# Altium PCB Lay-51943_B.brd.PcbDoc (part 3 of 8)
Units mil, origin at the board's own origin, x right, y up, seen from the top; angles counter-clockwise.
Board outline 2903.05 x 2405.84 mil, 6 copper layers (TOP, L2_GND_1, L3_INT_1, L4_PWR, L5_GND_2, BOTTOM), stack 60.244 mil thick; 568 components, 400 nets, 2143 pads, 1138 vias.
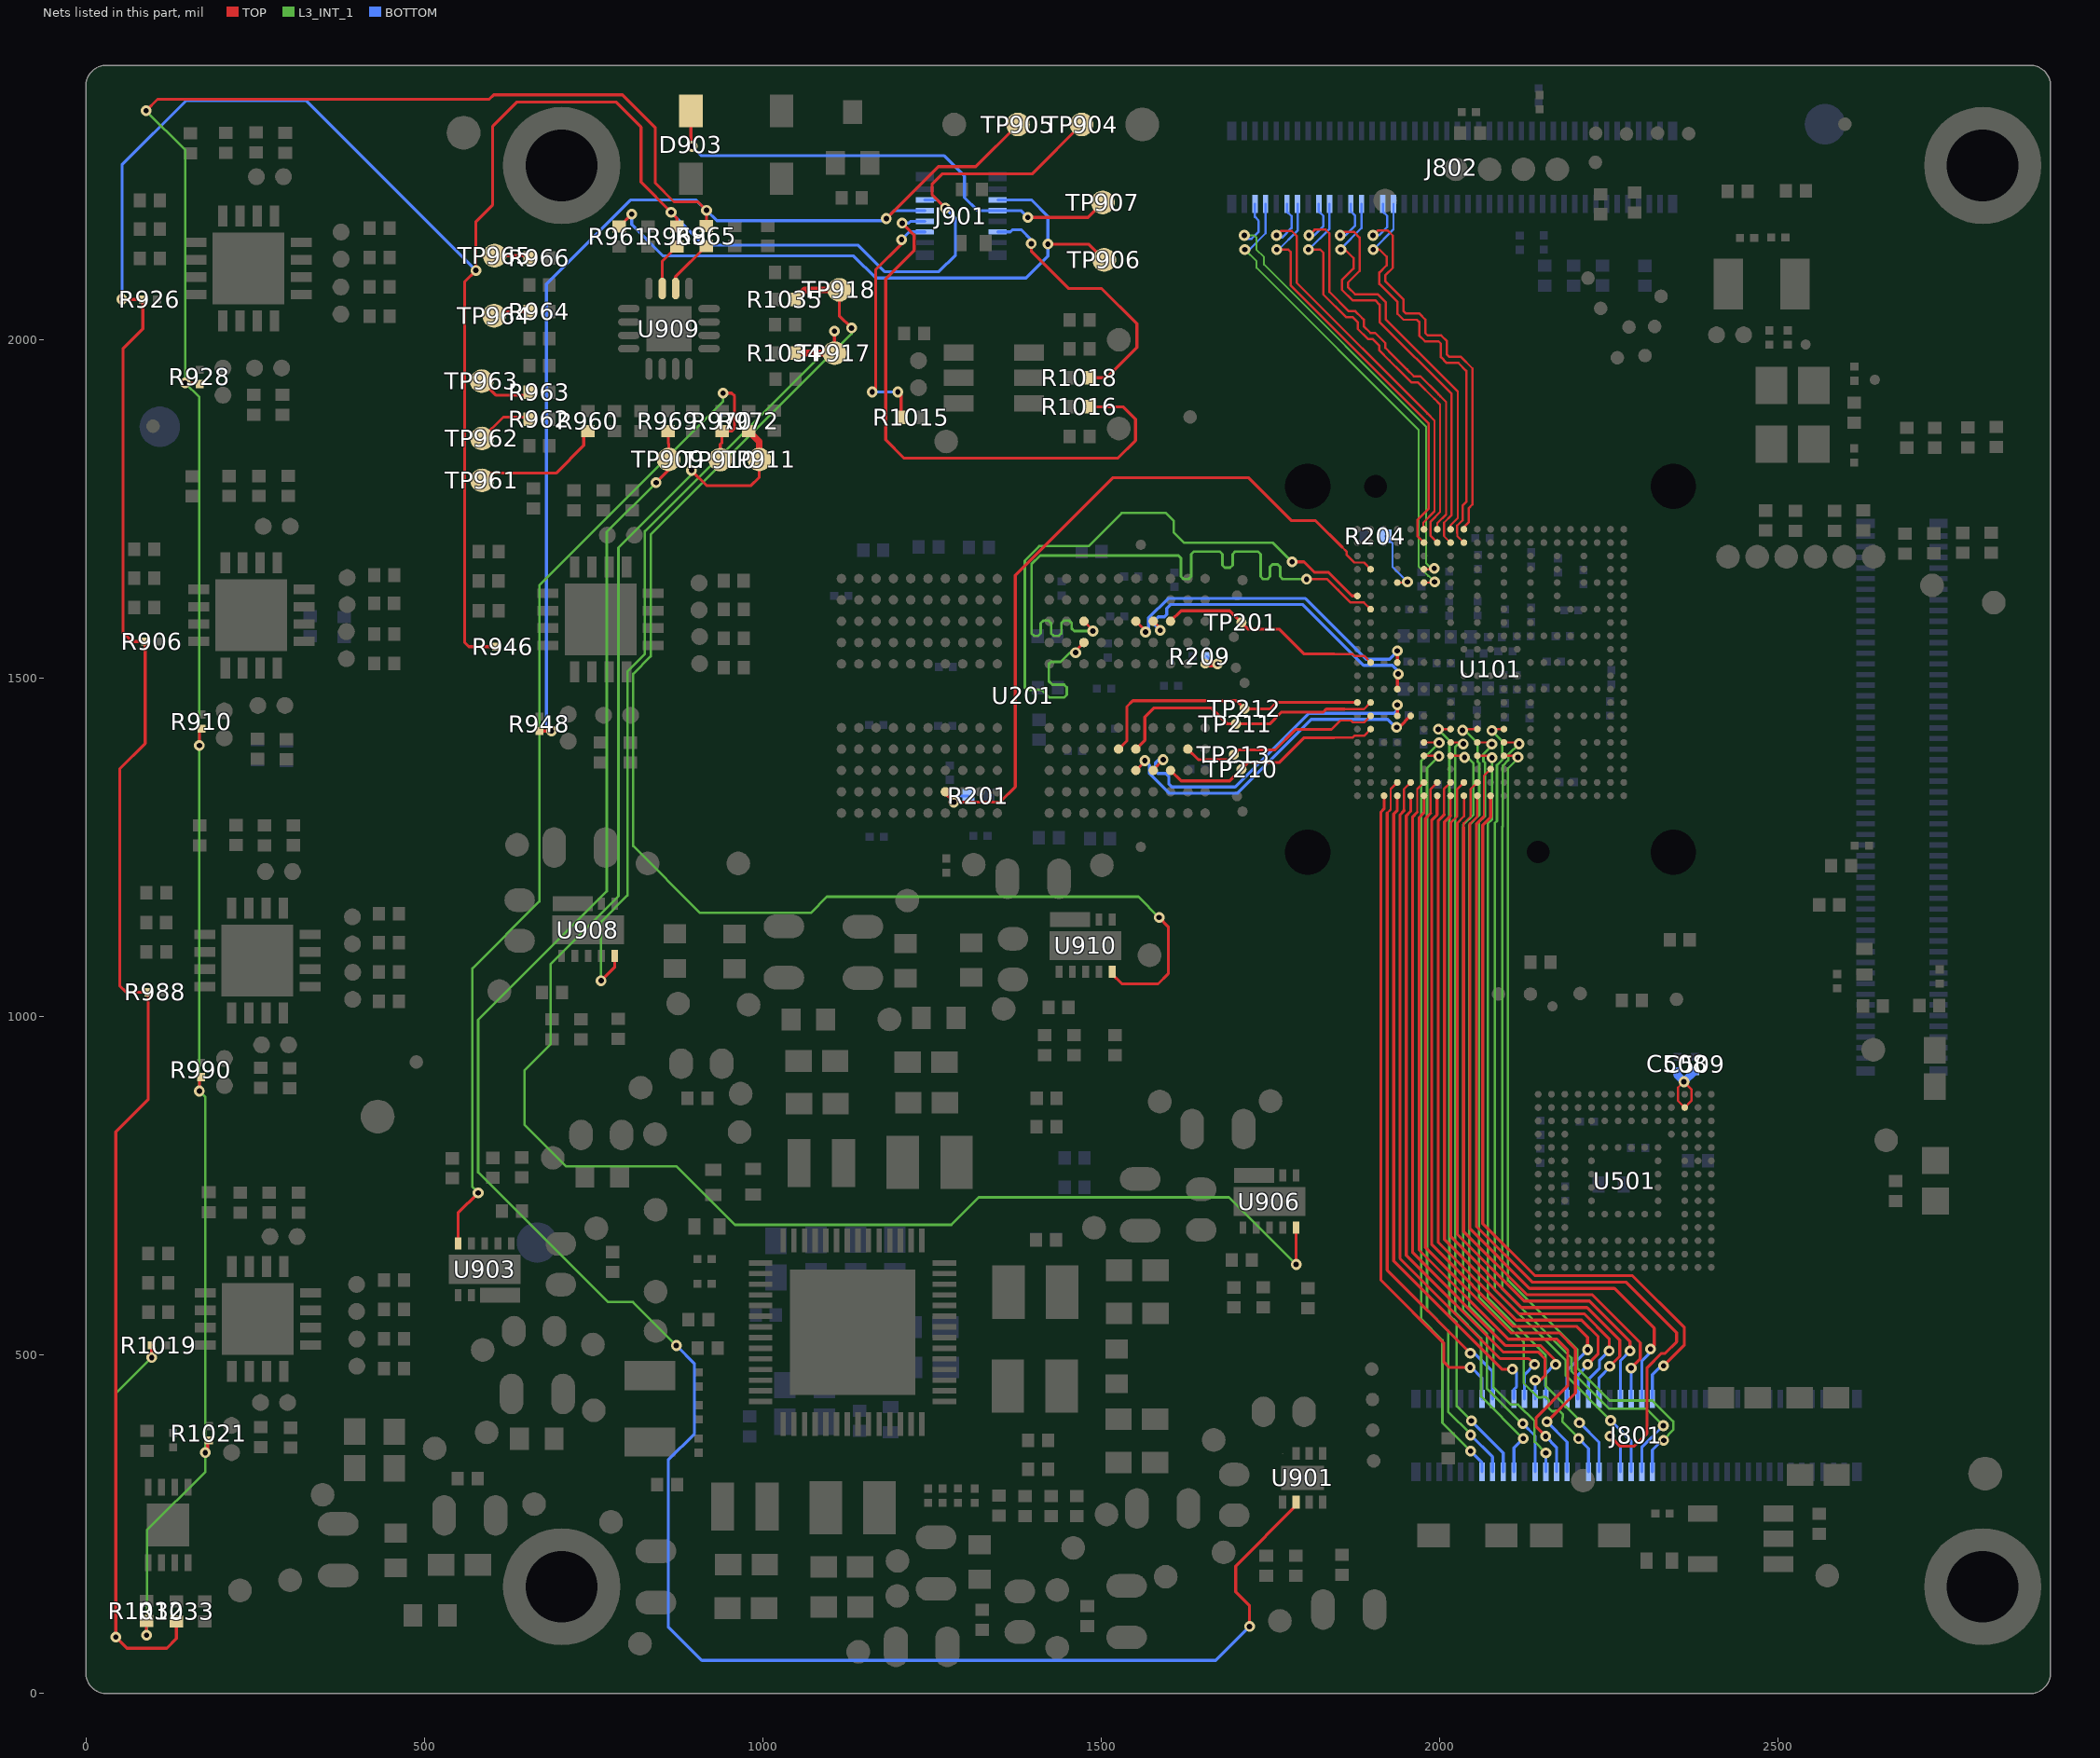
[diagram p7: the nets of this part, all layers, seen from the top]

## Via types
v1: diameter 16, hole 8, TOP to BOTTOM, tented both sides, 1003 vias
v2: diameter 20, hole 10, TOP to BOTTOM, tented both sides, 66 vias
v3: diameter 16, hole 8, TOP to BOTTOM, tented bottom, 63 vias
v4: diameter 56, hole 40, TOP to BOTTOM, 6 vias

## Nets (pads, with @x,y where several pads share a name; then routed paths per layer and width w, separated by ;. In a path a pad name is that pad's centre, name@x,y a point inside that pad or via, vN(x,y) a via of type N, cw(c..) or ccw(c..) an arc to the next point about the centre after c; other vN are vias at no path point) (continued)
DRAM_DATA13_A: TP213.1 U101.R2 U201.B9 | length 305.9
  TOP w3.2: 1840.53,1424.48 1853.7,1437.65 1869.58,1437.65 1872.34,1434.89 1888.83,1434.89 1898.55,1444.61 U101.R2@1898.55,1444.74
  TOP w4.4: U201.B9@1628.34,1395.54 1644.03,1379.85 1688.78,1379.85 TP213.1@1696.3,1387.37 1703.3,1394.37 1757.34,1394.37 1787.45,1424.48 1840.53,1424.48
DRAM_DATA14_A: TP211.1 U101.P2 U201.E9 | length 415.1
  TOP w3.2: 1859.75,1454.57 1888.71,1454.57 U101.P2@1898.55,1464.43
  TOP w4.4: U201.E9@1551.57,1395.54 1564.73,1408.7 1564.73,1443.01 1578,1456.28 1663.03,1456.28 1686.54,1432.77 TP211.1@1699.4,1432.77 1749.33,1432.77 1766.71,1450.15 1828.5,1450.15 1832.92,1454.57 1859.75,1454.57
DRAM_DATA15_A: TP212.1 U101.P1 U201.F9 | length 420.9
  TOP w4.4: U201.F9@1525.98,1395.54 1538.33,1407.89 1538.33,1458.39 1547.05,1467.11 1700.25,1467.11 TP212.1@1712.21,1455.15 1750.51,1455.15 1759.78,1464.42 U101.P1@1878.86,1464.42
DRAM_DMI0_A: TP201.1 U101.L2 U201.C3 | length 334
  TOP w3.2: 1844.67,1536.11 1871.71,1536.11 1874.49,1533.33 1888.7,1533.33 U101.L2@1898.55,1523.48
  TOP w4.4: U201.C3@1602.75,1584.52 1618.3,1600.07 1690.23,1600.07 TP201.1@1707.53,1582.77 1717.67,1572.63 1763.87,1572.63 1800.39,1536.11 1844.67,1536.11
DRAM_DMI1_A: TP210.1 U101.T2 U201.C10 | length 334.1
  TOP w3.2: 1844.67,1412.42 1871.71,1412.42 1874.49,1415.2 1888.83,1415.2 1898.55,1424.92 U101.T2@1898.55,1425.06
  TOP w4.4: U201.C10@1602.75,1364.04 1618.33,1348.46 1690.23,1348.46 TP210.1@1707.53,1365.76 1717.67,1375.9 1763.87,1375.9 1800.39,1412.42 1844.67,1412.42
DRAM_NCS0_A: U101.F1 U201.H4 | length 972.2
  TOP w4.1: v1(1462.61,1538.12) 1463.09,1538.6 1463.09,1541.31 U201.H4@1474.8,1553.02
  TOP w4.4: v1(1782.44,1672.12) 1799.94,1672.12 1815.32,1656.74 1836.07,1656.74 1870.9,1621.91 U101.F1@1878.87,1621.91
  L3_INT_1 w3.8: v1(1462.61,1538.12) 1454.18,1538.12 1440.66,1524.6 1426.2,1524.6 1422.99,1521.39 1422.99,1495.91 1428.24,1490.66 1445.56,1490.66 1449.36,1486.86 1449.36,1475.52 1445.56,1471.72 1423.86,1471.72 1412.32,1483.26 1390.54,1483.26 1387.34,1486.46 1387.34,1674.13 1408.78,1695.57 1481.97,1695.57 1530.88,1744.48 1595.89,1744.48 1607.38,1732.99 1607.38,1715.98 1622.99,1700.37 1754.19,1700.37 v1(1782.44,1672.12)
DRAM_NCS1_A: U101.G2 U201.H3 | length 981.9
  TOP w3.2: 1850.4,1630.56 1868.8,1612.16 1888.61,1612.16 U101.G2@1898.55,1602.22
  TOP w3.6: v1(1803.77,1646.63) 1834.33,1646.63 1850.4,1630.56
  TOP w4.1: U201.H3@1474.8,1584.52 1488.1,1571.22 v1(1488.1,1570.03)
  L3_INT_1 w3.8: v1(1488.1,1570.03) 1460.47,1570.03 1456.67,1573.83 1456.67,1581.68 1452.87,1585.48 1445.27,1585.48 1441.47,1581.68 1441.47,1566.63 1437.67,1562.83 1430.07,1562.83 1426.27,1566.63 1426.27,1581.68 1422.47,1585.48 1414.87,1585.48 1411.07,1581.68 1411.07,1566.63 1407.27,1562.83 1401.16,1562.83 1397.36,1566.63 1397.36,1668.85 1410.1,1681.59 1614.39,1681.59 1618.19,1677.79 1618.19,1650.58 1621.99,1646.78 1629.59,1646.78 1633.39,1650.58 1633.39,1683.68 1637.19,1687.48 1675.57,1687.48 1679.37,1683.68 1679.37,1667.28 1683.17,1663.48 1690.77,1663.48 1694.57,1667.28 1694.57,1683.68 1698.37,1687.48 1732.08,1687.48 1735.88,1683.68 1735.88,1650.43 1739.68,1646.63 1745.9,1646.63 1749.7,1650.43 1749.7,1664.68 1753.5,1668.48 1761.1,1668.48 1764.9,1664.68 1764.9,1650.43 1768.7,1646.63 v1(1803.77,1646.63)
DRAM_NRESET: R201.1 U101.D2 U201.T11 | length 1102.1
  TOP w3.2: 1856.04,1694.28 1863.17,1687.15 1863.17,1682.19 1874.23,1671.13 1888.7,1671.13 U101.D2@1898.55,1661.28
  TOP w4.4: U201.T11@1270.07,1332.55 1270.07,1329.73 v1(1282.59,1317.21) 1350.57,1317.21 1373.23,1339.87 1373.23,1652.29 1517.35,1796.41 1718.3,1796.41 1781.66,1733.05 1817.27,1733.05 1856.04,1694.28
  BOTTOM w4.4: v1(1282.59,1317.21) 1291.61,1326.23 R201.1@1304.04,1326.23
DRAM_SDQS0_C_A: U101.L4 U201.E3 | length 483.5
  TOP w4.1: U201.E3@1551.57,1584.52 1565.82,1570.27 v1(1565.82,1568.65)
  TOP w4.6: U101.L4@1937.92,1523.48 v1(1937.93,1540.64)
  BOTTOM w4.6: v1(1565.82,1568.65) 1570.47,1573.3 1570.47,1589.53 1599.07,1618.13 1802.11,1618.13 1891.79,1528.45 1926.62,1528.45 v1(1937.93,1540.64)
DRAM_SDQS0_T_A: U101.N4 U201.D3 | length 478.6
  TOP w4.1: U201.D3@1577.16,1584.52 1587.63,1574.05 v1(1587.63,1571.12)
  TOP w4.6: U101.N4@1937.92,1484.11 1937.92,1505.25 v1(1939.19,1506.52)
  BOTTOM w4.6: v1(1587.63,1571.12) 1579.47,1579.28 1579.47,1585.79 1584.75,1591.07 1594.06,1591.07 1597.15,1594.16 1597.15,1603.48 1602.8,1609.13 1798.38,1609.13 1888.06,1519.45 1930.55,1519.45 1939.02,1511.28 v1(1939.19,1506.52)
DRAM_SDQS1_C_A: U101.R5 U201.E10 | length 496.7
  TOP w4.1: U201.E10@1551.57,1364.04 1564.81,1377.28 v1(1564.81,1378.48)
  TOP w4.4: v1(1936.95,1427.76) 1940.63,1427.76 U101.R5@1957.61,1444.74
  BOTTOM w4.6: v1(1564.81,1378.48) 1571.61,1371.72 1571.61,1359.51 1600.69,1330.43 1701.84,1330.43 1810.78,1439.37 1923.85,1439.37 1935.46,1427.76 v1(1936.95,1427.76)
DRAM_SDQS1_T_A: U101.R4 U201.D10 | length 492.4
  TOP w4.1: U201.D10@1577.16,1364.04 1577.16,1365.2 v1(1591.9,1379.94)
  TOP w4.6: U101.R4@1937.92,1444.74 v1@1937.92,1460.93
  BOTTOM w4.6: v1(1591.9,1379.94) 1585.22,1379.94 1580.61,1375.33 1580.61,1363.25 1584.19,1359.67 1595.69,1359.67 1600.29,1355.07 1600.29,1343.57 1604.43,1339.43 1698.11,1339.43 1807.05,1448.37 1933.33,1448.37 1937.93,1452.97 v1(1937.93,1460.94)
DRAM_ZN: R204.1 U101.E4 | length 96.5
  TOP w3.2: U101.E4@1937.92,1641.59 1951.82,1641.59 v1(1952.9,1642.67)
  BOTTOM w3.2: R204.1@1920.33,1710.21 1930.84,1699.7 1930.84,1664.73 v1(1952.9,1642.67)
DRAM_ZQ0: R209.2 U201.A5 | length 39.3
  TOP w10: U201.A5@1653.93,1521.52 v1(1672.49,1521.52)
  BOTTOM w3.2: R209.2@1656.42,1532.71 1667.61,1521.52 v1(1672.49,1521.52)
DSI_CLK_N: J802.3 U101.D6 | length 706.1
  TOP w3.4: U101.D6@1977.29,1661.28 1991.14,1661.28 v1(1992.49,1662.63)
  L3_INT_1 w2.9: v3(1711.9,2154.7) 1726.43,2154.7 1729.62,2151.51 1729.62,2133.79 1741.01,2122.4 1741.01,2111.4 1980.49,1871.92 1980.49,1670.07 1987.93,1662.63 v1(1992.49,1662.63)
  BOTTOM w3.4: v3(1711.9,2154.7) 1717.1,2149.5 1722.27,2149.5 1733.11,2160.34 1733.11,2175.04 1732.17,2177.3 1727.5,2181.97 J802.3@1727.5,2201.2
DSI_CLK_P: J802.5 U101.E6 | length 707.9
  TOP w3.4: U101.E6@1977.29,1641.59 1991.95,1641.59 v1(1992.99,1642.63)
  L3_INT_1 w2.9: v3(1712.54,2133.7) 1730.01,2116.23 1730.01,2106.84 1969.49,1867.36 1969.49,1665.51 1983.37,1651.63 1983.99,1651.63 v1(1992.99,1642.63)
  BOTTOM w3.4: v3(1712.54,2133.7) 1719.21,2133.7 1743.25,2157.74 J802.5@1743.25,2201.2
DSI_D0_N: J802.9 U101.A6 | length 628.4
  TOP w3.2: U101.A6@1977.29,1720.33 1976.35,1721.27 1976.35,1730.22 1992.94,1746.81 1992.94,1880.82 1982.36,1891.4 1982.37,1891.52 1981.86,1892.03
  TOP w3.4: v3(1759.4,2154.7) 1765.9,2161.2 1781.7,2161.2 1789.13,2153.77 1789.13,2084.76 1981.86,1892.03
  BOTTOM w3.4: v3(1759.4,2154.7) 1762.67,2151.43 1767.49,2151.43 1781.49,2165.43 1781.49,2183.23 1774.75,2189.97 J802.9@1774.75,2201.2
DSI_D0_P: J802.11 U101.B6 | length 628.6
  TOP w3.2: U101.B6@1977.29,1700.65 1967.51,1710.43 1967.51,1733.83 1984.04,1750.36 1984.04,1877.12
  TOP w3.4: v3(1759.77,2133.7) 1776.73,2133.7 1780.13,2130.3 1780.13,2081.03 1984.04,1877.12
  BOTTOM w3.4: v3(1759.77,2133.7) 1762.5,2133.7 1790.49,2161.69 J802.11@1790.49,2201.2
DSI_D1_N: J802.15 U101.A7 | length 628.4
  TOP w3.2: U101.A7@1996.98,1720.33 1996.98,1729.34 2009.94,1742.3 2009.94,1908.46 2001.61,1916.79 2001.61,1916.93 1999.42,1919.12 1999.26,1919.12 1998.77,1919.61
  TOP w3.4: v3(1807.21,2154.72) 1815.59,2163.1 1831.95,2163.1 1837.57,2157.48 1837.57,2071.13 1866.16,2042.55 1875.82,2042.56 1885.68,2032.7 1888.31,2030.06 1888.31,2020.39 1898.15,2010.56 1904.95,2010.57 1920.3,1995.22 1920.3,1988.4 1930.14,1978.57 ; 1930.16,1978.57 1952.29,1956.44 1962.13,1946.58 1971.79,1946.59 1998.77,1919.61
  BOTTOM w3.4: v3(1807.21,2154.72) 1815.26,2154.72 1828.74,2168.2 1828.74,2183.24 1821.99,2189.99 J802.15@1821.99,2201.2
DSI_D1_P: J802.17 U101.B7 | length 629.9
  TOP w3.2: 1992.71,1913.24 2001.14,1904.81 2001.14,1745.95 1987.13,1731.94 1987.13,1710.5 U101.B7@1996.98,1700.65
  TOP w3.4: v3(1806.57,2133.72) 1824.02,2133.72 1828.57,2129.17 1828.57,2067.4 1862.43,2033.54 1872.09,2033.55 1879.31,2026.33 1879.31,2016.65 1894.43,2001.55 1901.23,2001.56 1911.3,1991.49 1911.3,1984.66 1926.41,1969.57 1943.29,1952.71 ; 1943.29,1952.67 1958.41,1937.57 1968.06,1937.58 1992.4,1913.24 1992.71,1913.24
  BOTTOM w3.4: v3(1806.57,2133.72) 1807,2133.72 1837.74,2164.46 J802.17@1837.74,2201.2
DSI_D2_N: J802.21 U101.A8 | length 626.7
  TOP w3.2: U101.A8@2016.66,1720.33 2016.66,1726.28 2027.24,1736.86
  TOP w3.4: v3(1853.43,2154.7) 1858.66,2159.93 1873.58,2159.93 1882.21,2151.3 1882.21,2102.01 1864.93,2084.73 1864.93,2078.19 1875.43,2067.69 1909.02,2067.69 1920.67,2056.04 1920.67,2030.57 2027.24,1924 2027.24,1736.86
  BOTTOM w3.4: v3(1853.43,2154.7) 1861.49,2154.7 1875.31,2168.52 1875.31,2184.13 1869.23,2190.21 J802.21@1869.23,2201.2
DSI_D2_P: J802.23 U101.B8 | length 627.7
  TOP w3: 2006.85,1730.14 2006.85,1710.3 2016.5,1700.65 U101.B8@2016.66,1700.65
  TOP w3.2: 2006.85,1730.14 2018.24,1741.53
  TOP w3.4: v3(1854.38,2133.72) 1860.7,2133.72 1873.21,2121.21 1873.21,2105.74 1855.93,2088.46 1855.93,2074.46 1871.7,2058.69 1905.29,2058.69 1911.67,2052.31 1911.67,2026.84 2018.24,1920.27 2018.24,1741.53
  BOTTOM w3.4: v3(1854.38,2133.72) 1854.38,2134.85 1884.98,2165.45 J802.23@1884.98,2201.2
DSI_D3_N: J802.27 U101.A9 | length 628.6
  TOP w3.2: U101.A9@2036.35,1720.33 U101.A9@2036.35,1723.75
  TOP w3.4: v3(1901.89,2154.73) 1908.78,2161.62 1923.88,2161.62 1931.2,2154.3 1931.2,2106.7 1920.4,2095.9 1920.4,2086.57 1947.29,2059.68 1947.29,2042.4 1950.69,2039 1970.61,2039 1979.28,2030.33 1979.28,2010.41 1982.68,2007.01 2002.6,2007.01 2011.27,1998.34 2011.27,1978.42 2014.67,1975.02 2031.95,1975.02 2048.91,1958.06 2048.91,1757.07 2043.2,1751.36 2043.2,1730.6 U101.A9@2036.35,1723.75
  BOTTOM w3.4: v3(1901.89,2154.73) 1910.73,2154.73 1922.95,2166.95 1922.95,2183.56 1916.48,2190.03 J802.27@1916.48,2201.2
DSI_D3_P: J802.29 U101.B9 | length 627.8
  TOP w3: 2026.42,1714.5 2026.42,1710.58 U101.B9@2036.35,1700.65
  TOP w3.2: 2026.42,1714.5 2026.42,1725.9 2034.2,1733.68
  TOP w3.4: v3(1902.21,2133.73) 1911.57,2133.73 1922.2,2123.1 1922.2,2110.43 1911.4,2099.63 1911.4,2082.84 1938.29,2055.95 1938.29,2038.67 1946.96,2030 1966.88,2030 1970.28,2026.6 1970.28,2006.68 1978.95,1998.01 1998.87,1998.01 2002.27,1994.61 2002.27,1974.69 2010.94,1966.02 2028.22,1966.02 2039.91,1954.33 2039.91,1760.8 2034.2,1755.09 2034.2,1733.68
  BOTTOM w3.4: v3(1902.21,2133.73) 1902.47,2133.73 1932.23,2163.49 J802.29@1932.23,2201.2
EMMC_VDDIM: C508.1 C509.1 U501.C2 | length 134.9
  TOP w3.2: 2352.7,875.8 U501.C2@2362.57,865.93 2372.42,875.78 2372.42,893 v1(2361.38,904.04) 2352.7,895.36 2352.7,875.8
  BOTTOM w12: C508.1@2351.83,919.73 2351.83,913.59 v1(2361.38,904.04) 2377.02,919.68 C509.1@2377.64,919.68
ENET1_MDC: J801.37 U101.AA11 | length 1125.8
  TOP w4.4: U101.AA11@2075.72,1326.63 2075.72,1295.08 2064.04,1283.4 2064.04,694.45 2140.98,617.51 2285.37,617.51 2362.07,540.81 2362.07,515.29 v1(2331.19,484.41)
  BOTTOM w4.4: J801.37@2314.85,435.31 2314.85,471.49 2325.16,481.8 2328.58,481.8 v1(2331.19,484.41)
ENET1_MDIO: J801.39 U101.AA10 | length 1089.9
  TOP w3.2: 2045.24,1285.26 2056.04,1296.06 U101.AA10@2056.04,1326.62
  TOP w4.4: 2045.24,1285.26 2045.24,686.63 2133.16,598.71 2258.81,598.71 2317.59,539.93 2317.59,514.64 v1(2312.11,509.16)
  BOTTOM w4.4: J801.39@2299.1,435.31 2299.1,491.1 2312.11,504.11 v1(2312.11,509.16)
ENET1_RD0: J801.49 U101.AA8 | length 1065.2
  TOP w3.2: 2016.66,1297.21 U101.AA8@2016.66,1326.63
  TOP w4.4: 2016.66,1297.19 2007.64,1288.17 2007.64,671.01 2117.54,561.11 2214.23,561.11 2250.97,524.37 v1(2250.97,506.3)
  BOTTOM w4.4: J801.49@2220.36,435.31 2220.36,464.11 2236.53,480.28 2236.53,491.86 v1(2250.97,506.3)
ENET1_RD1: J801.47 U101.Y9 | length 1091.6
  TOP w3.2: 2017.04,1286.82 2026.42,1296.2 2026.42,1336.39 U101.Y9@2036.35,1346.32
  TOP w4.4: 2017.04,1286.82 2017.04,674.92 2121.45,570.51 2218.13,570.51 2266.49,522.15 2266.49,498.38 v1(2251.73,483.62)
  BOTTOM w4.4: J801.47@2236.11,435.31 2236.11,466.56 2251.73,482.18 v1(2251.73,483.62)
ENET1_RD2: J801.43 U101.AA9 | length 1063.6
  TOP w3.2: 2026.44,1286.3 2036.35,1296.21 U101.AA9@2036.35,1326.63
  TOP w4.4: 2026.44,1286.3 2026.44,678.82 2125.35,579.91 2222.03,579.91 2281.71,520.23 v1(2281.71,506.23)
  BOTTOM w4.4: J801.43@2267.61,435.31 2267.61,492.13 v1(2281.71,506.23)
ENET1_RD3: J801.41 U101.Y10 | length 1089.8
  TOP w3.2: 2035.84,1280.15 2035.84,1285.77 2046.2,1296.13 2046.2,1336.49 U101.Y10@2056.03,1346.32
  TOP w4.4: 2035.84,1280.15 2035.84,682.72 2129.25,589.31 2225.93,589.31 2296.91,518.33 2296.91,494.54 v1(2283.36,480.99)
  BOTTOM w4.4: J801.41@2283.36,435.31 v1(2283.36,480.99)
ENET1_RX_CTL: J801.51 U101.Y8 | length 1085.8
  TOP w3.2: 2006.81,1299.28 2006.73,1299.36 2006.73,1336.45 U101.Y8@2016.66,1346.32 U101.Y8@2016.66,1346.32
  TOP w4.4: 2006.81,1299.28 2006.81,1298.09 1998.24,1289.52 1998.24,667.11 2113.64,551.71 2210.32,551.71 2234.67,527.36 2234.67,502.03 2219.13,486.49 v1(2219.13,486.32)
  BOTTOM w4.4: J801.51@2204.62,435.31 2204.62,470.28 2219.13,484.79 v1(2219.13,486.32)
ENET1_RXC: J801.53 U101.AA7 | length 1057.5
  TOP w4.4: U101.AA7@1996.98,1326.63 1996.51,1326.16 1996.51,1298.54 1988.84,1290.87 1988.84,663.21 2109.74,542.31 2203.4,542.31 2219.15,526.56 v1(2219.15,508.01)
  BOTTOM w4.4: J801.53@2188.87,435.31 2188.87,477.56 2218.1,506.79 2218.1,506.96 v1(2219.15,508.01)
ENET1_TD0: J801.44 U101.W11 | length 1343.6
  TOP w3.2: 2065.9,1296.01 2065.9,1356.18 U101.W11@2075.72,1366
  TOP w4.4: 2065.9,1296.01 2054.64,1284.75 2054.64,690.54 2137.07,608.11 2275.74,608.11 2350.6,533.25 2350.6,519.58 2333.56,502.54 2327.82,502.54 2306.97,481.69 2306.97,384.72 2287.62,365.37 2266.99,365.37 v1(2252.04,380.32)
  BOTTOM w4.4: v1(2252.04,380.32) 2267.61,364.75 J801.44@2267.61,327.61
ENET1_TD1: J801.42 U101.T12 | length 1208.6
  TOP w3.2: v1(2077.66,1422.86) 2079.86,1425.06 U101.T12@2095.41,1425.06
  L3_INT_1 w3.6: v1(2077.66,1422.86) 2077.66,1422.51 2093.25,1406.92 2093.25,1380.04 2085.13,1371.92 2085.13,1289.26 2081.79,1285.92 2081.79,597.17 2186.7,492.26 2186.7,469.86 v1(2253.1,403.46)
  BOTTOM w4.4: v1(2253.1,403.46) 2283.36,373.2 J801.42@2283.36,327.61
ENET1_TD2: J801.40 U101.U12 | length 1253.4
  TOP w3.2: U101.U12@2095.41,1405.37 2112.63,1405.37 2114.63,1403.37 v1(2117.89,1403.37)
  L3_INT_1 w3.6: v1(2117.89,1403.37) 2101.84,1387.32 2101.84,1379.01 2093.83,1371 2093.83,1281.4 2092.84,1280.41 2092.84,598.29 2195.3,495.83 2195.3,476.57 2251.18,420.69 2306.07,420.69 v1(2330.92,395.84)
  BOTTOM w4.4: J801.40@2299.1,327.61 2299.1,364.02 v1(2330.92,395.84)
ENET1_TD3: J801.38 U101.V12 | length 1236
  TOP w3.2: U101.V12@2095.41,1385.69 2113.84,1385.69 v1(2116.08,1383.45)
  L3_INT_1 w3.2: 2101.44,1355.41 2101.44,1367.1 2116.08,1381.74 v1(2116.08,1383.45)
  L3_INT_1 w3.6: 2101.44,1355.41 2101.44,610.6 2203.9,508.14 2203.9,480.61 2251.56,432.95 2314.75,432.95 2345.72,401.98 2345.72,389.69 2331.44,375.41 v1(2331.44,374.1)
  BOTTOM w4.4: J801.38@2314.85,327.61 2314.85,360.05 2328.9,374.1 v1(2331.44,374.1)
ENET1_TX_CTL: J801.48 U101.V10 | length 1149.1
  TOP w3.2: U101.V10@2056.03,1385.69 2075.12,1385.69 v1(2077.95,1382.86)
  L3_INT_1 w3.6: v1(2077.95,1382.86) 2077.95,1291.7 2071.65,1285.4 2071.65,584.94 2157.1,499.49 2157.1,454.33 2207.06,404.37 v1(2207.06,400.05)
  BOTTOM w4.4: v1(2207.06,400.05) 2236.11,371 J801.48@2236.11,327.61
ENET1_TXC: J801.50 U101.U10 | length 1191.3
  TOP w3.2: U101.U10@2056.03,1405.37 2074.98,1405.37 v1(2077.49,1402.86)
  L3_INT_1 w3.6: v1(2077.49,1402.86) 2077.49,1400.51 2065.15,1388.17 2065.15,1377.55 2067.55,1375.15 2067.55,1296.87 2058.56,1287.88 2058.56,585.86 2124.68,519.74 2124.68,458.82 2145.95,437.55 2151.03,437.55 2151.88,438.4 2156.95,438.4 2162.06,433.29 2162.06,428.21 2161.22,427.37 2161.22,422.28 2166.33,417.17 2171.41,417.17 2172.26,418.02 2177.33,418.02 2182.44,412.91 2182.44,407.83 2181.6,406.99 2181.6,401.9 2205.74,377.76 v1(2205.74,376.64)
  BOTTOM w4.4: v1(2205.74,376.64) 2220.36,362.02 J801.50@2220.36,327.61
ENET2_MDC: J801.54 U101.Y7 | length 1189.8
  TOP w3.2: 1987.11,1300.71 1987.11,1336.45 U101.Y7@1996.98,1346.32
  TOP w4.4: 1987.11,1300.71 1979.44,1293.04 1979.44,659.31 2105.84,532.91 2177.53,532.91 2201.27,509.17 2201.27,443.96 v1(2158.93,401.62)
  BOTTOM w4.4: v1(2158.93,401.62) 2188.87,371.68 J801.54@2188.87,327.61
ENET2_MDIO: J801.56 U101.AA6 | length 1166.7
  TOP w3.2: 1976.76,1301.12 1977.29,1301.65 U101.AA6@1977.29,1326.63
  TOP w4.4: 1976.76,1301.12 1970.04,1294.4 1970.04,655.4 2101.93,523.51 2173.63,523.51 2189.69,507.45 2189.69,454.49 2143.15,407.95 2143.15,393.99 v1(2157.08,380.06)
  BOTTOM w4.4: v1(2157.08,380.06) 2173.12,364.02 J801.56@2173.12,327.61
ENET2_RD0: J801.63 U101.AA4 | length 980.4
  TOP w4.4: U101.AA4@1937.92,1326.63 1937.92,1305.3 1932.44,1299.82 1932.44,638.99 2092.16,479.27 v1(2107.91,479.27)
  BOTTOM w4.4: v1(2107.91,479.27) 2109.02,479.27 2114.13,474.16 2114.13,453.47 2110.13,449.47 J801.63@2110.13,435.31
ENET2_RD1: J801.61 U101.Y5 | length 1030.9
  TOP w3.2: 1947.78,1305.25 1947.78,1336.49 U101.Y5@1957.61,1346.32
  TOP w4.4: 1947.78,1305.25 1947.78,1304.41 1941.84,1298.47 1941.84,642.89 2089.72,495.01 2132.07,495.01 v1(2140.77,486.31)
  BOTTOM w4.4: J801.61@2125.88,435.31 2125.88,471.42 v1(2140.77,486.31)
ENET2_RD2: J801.59 U101.AA5 | length 1019.5
  TOP w4.4: U101.AA5@1957.61,1326.63 1957.61,1303.49 1951.24,1297.12 1951.24,647.58 2094.11,504.71 2145.97,504.71 2155.97,494.71 2155.97,469.68 2149.12,462.83 v1(2141.62,462.83)
  BOTTOM w4.4: J801.59@2141.62,435.31 v1(2141.62,462.83)
ENET2_RD3: J801.57 U101.Y6 | length 1043.2
  TOP w3.2: 1967.36,1302.48 1967.36,1336.37 U101.Y6@1977.29,1346.32
  TOP w4.4: 1967.36,1302.48 1960.64,1295.76 1960.64,651.49 2098.02,514.11 2149.87,514.11 2171.9,492.08 v1(2171.9,486.11)
  BOTTOM w4.4: J801.57@2157.37,435.31 2157.37,453.81 2156.82,454.36 2156.82,472.64 2170.29,486.11 v1(2171.9,486.11)
ENET2_RX_CTL: J801.67 U101.Y4 | length 985
  TOP w3.2: 1923.04,1301.18 1928.08,1306.22 1928.08,1336.48 U101.Y4@1937.92,1346.32
  TOP w4.4: 1923.04,1301.18 1923.04,625.73 v1(2045.91,502.86)
  BOTTOM w4.4: v1(2045.91,502.86) 2051.64,502.86 2078.63,475.87 J801.67@2078.63,435.31
ENET2_RXC: J801.69 U101.AA3 | length 974.2
  TOP w4.4: U101.AA3@1918.24,1326.63 1918.24,1307.13 1913.64,1302.53 1913.64,610.75 2006.8,517.59 2006.8,489.76 2014.7,481.86 v1(2045.44,481.86)
  BOTTOM w4.4: v1(2045.44,481.86) 2047.4,481.86 2062.88,466.38 J801.69@2062.88,435.31
ENET2_TD0: J801.66 U101.T8 | length 1155.1
  TOP w3.2: v1(1998.54,1424.8) 1998.8,1425.06 U101.T8@2016.66,1425.06
  L3_INT_1 w3.6: v1(1998.54,1424.8) 2014.91,1408.43 2014.91,559.34 2025.67,548.58 2025.67,424.79 v1(2047.39,403.07)
  BOTTOM w4.4: v1(2047.39,403.07) 2047.39,402.52 2094.38,355.53 J801.66@2094.38,327.61
ENET2_TD1: J801.64 U101.U8 | length 1152.8
  TOP w3.2: U101.U8@2016.66,1405.37 2033.18,1405.37 v1(2035.34,1403.21)
  L3_INT_1 w3.6: v1(2035.34,1403.21) 2034.13,1404.42 2029.02,1404.42 2023.51,1398.91 2023.51,562.97 2061.7,524.78 2061.7,439.04 v1(2123.92,376.82)
  BOTTOM w4.4: J801.64@2110.13,327.61 2110.13,363.03 v1(2123.92,376.82)
ENET2_TD2: J801.60 U101.V8 | length 1136.2
  TOP w3.2: U101.V8@2016.66,1385.69 2034.83,1385.69 v1(2037.23,1383.29)
  L3_INT_1 w3.6: v1(2037.23,1383.29) 2039.1,1383.29 2039.15,1383.24 2041.45,1383.24 2050.35,1374.34 2050.35,1298.93 2035.36,1283.94 2035.36,566.33 2070.3,531.39 2070.3,450.47 2121.85,398.92 v1(2123.39,398.92)
  BOTTOM w4.4: v1(2123.39,398.92) 2141.62,380.69 J801.60@2141.62,327.61
ENET2_TD3: J801.58 U101.T10 | length 1189.5
  TOP w3.2: v1(2034.29,1423.35) 2035.5,1424.56 2039.54,1424.56 2040.04,1425.06 U101.T10@2056.03,1425.06
  L3_INT_1 w3.6: v1(2034.29,1423.35) 2037.43,1423.35 2056.55,1404.23 2056.55,1377.14 2058.95,1374.74 2058.95,1297.9 2043.96,1282.91 2043.96,572.93 2079.77,537.12 2079.77,453.17 2105.87,427.07 2116.19,427.07 2140.74,402.52 2140.74,372.1 v1(2157.37,355.47)
  BOTTOM w4.4: J801.58@2157.37,327.61 v1(2157.37,355.47)
ENET2_TX_CTL: J801.68 U101.V6 | length 1127
  TOP w3.2: U101.V6@1977.29,1385.69 1998.48,1385.69 v1(1999.34,1384.83)
  L3_INT_1 w3.6: v1(1999.34,1384.83) 1981.8,1367.29 1981.8,567.12 2013.05,535.87 2013.05,416.46 2046.32,383.19 v1(2046.32,382.09)
  BOTTOM w4.4: v1(2046.32,382.09) 2078.63,349.78 J801.68@2078.63,327.61
ENET2_TXC: J801.70 U101.U6 | length 1147.9
  TOP w3.2: U101.U6@1977.29,1405.37 1999.11,1405.37 v1(1999.65,1404.83)
  L3_INT_1 w3.6: v1(1999.65,1404.83) 1973.2,1378.38 1973.2,553.34 2004.45,522.09 2004.45,400.02 v1(2046.32,358.15)
  BOTTOM w4.4: v1(2046.32,358.15) 2062.88,341.59 J801.70@2062.88,327.61
FSC_CTRL_H1: R969.2 TP909.1 U901.2 | length 3183.4
  TOP w4.4: v1(842.64,1789.24) 861.18,1807.78 TP909.1@861.18,1823.55 861.18,1846.41 860.59,1847 R969.2@860.59,1865.31 ; v1(1719.55,99.09) 1719.55,129.78 1698.99,150.34 1698.99,188.37 1788.14,277.52 U901.2@1788.14,283.03
  L3_INT_1 w3.6: v1(842.64,1789.24) 769.79,1716.39 769.79,1185.54 579.71,995.46 579.71,770.3 771.62,578.39 808.33,578.39 v1(872.47,514.25)
  BOTTOM w4.4: v1(872.47,514.25) 899.41,487.31 899.41,384.03 860.55,345.17 860.55,98.45 910.06,48.94 1669.4,48.94 v1(1719.55,99.09)
FSC_CTRL_H2: R970.2 TP910.1 U903.5 | length 1555.4
  TOP w4.4: U903.5@549.96,665.21 549.96,710.07 v1(579.75,739.86) ; TP910.1@937.44,1823.29 937.44,1846.15 939.91,1848.62 R970.2@939.91,1865.31 954.14,1865.31 958.54,1869.71 958.54,1917.19 954.14,1921.59 v1(941.69,1921.59)
  L3_INT_1 w3.6: v1(579.75,739.86) 571.11,748.5 571.11,1071.35 670.16,1170.4 670.16,1637.7 941.69,1909.23 v1(941.69,1921.59)
FSC_CTRL_H3: R972.2 TP911.1 U906.5 | length 2572.4
  TOP w4.4: v1(894.93,1807.47) 917.75,1784.65 982.38,1784.65 995.02,1797.29 TP911.1@995.02,1823.57 ; v1(1788.39,634.11) U906.5@1788.39,688.66
  TOP w10: R972.2@979.57,1865.31 995.02,1849.86 TP911.1@995.02,1823.57
  L3_INT_1 w3.6: v1(894.93,1807.47) 894.93,1801.12 786.99,1693.18 786.99,1178.39 686.52,1077.92 686.52,959.25 647.98,920.71 647.98,840.75 709.81,778.92 872.84,778.92 959.07,692.69 1278.96,692.69 1319.59,733.32 1689.18,733.32 v1(1788.39,634.11)
FSC_CTRL_H4: R1034.2 TP917.1 U908.5 | length 1238.4
  TOP w4.4: v1(761.35,1053.39) 781.55,1073.59 U908.5@781.55,1090.06 ; TP917.1@1106.21,1980.6 v1(1106.21,2013.15)
  TOP w10: R1034.2@1048.01,1980.61 TP917.1@1106.21,1980.6
  L3_INT_1 w3.6: v1(761.35,1053.39) 761.35,1140.57 800.26,1179.48 800.26,1510.22 826.09,1536.05 826.09,1717.5 1106.21,1997.62 v1(1106.21,2013.15)
FSC_CTRL_H5: R1035.2 TP918.1 U910.5 | length 2062.2
  TOP w4.4: TP918.1@1113.27,2074.13 1113.27,2035.86 v1(1131.39,2017.74) ; U910.5@1516.68,1066.76 1516.68,1062.92 1530.89,1048.71 1584.5,1048.71 1599.46,1063.67 1599.46,1133.27 v1(1585.99,1146.74)
  TOP w10: R1035.2@1048.01,2059.93 1062.21,2074.13 TP918.1@1113.27,2074.13
  L3_INT_1 w3.6: v1(1131.39,2017.74) 1131.39,2009.13 834.69,1712.43 834.69,1532.47 808.86,1506.64 808.86,1252.23 907.62,1153.47 1071.16,1153.47 1095.11,1177.42 1555.31,1177.42 v1(1585.99,1146.74)
FSC_CTRL_L1: R960.2 TP961.1 | length 195.2
  TOP w4.4: TP961.1@585.36,1792.63 596.08,1803.35 694.76,1803.35 735.78,1844.37 735.78,1859.48 R960.2@741.61,1865.31
FSC_CTRL_L2: R962.2 TP962.1 | length 84
  TOP w4.4: TP962.1@585.36,1854.5 616.88,1886.02 652.3,1886.02 R962.2@655.13,1883.19
FSC_CTRL_L3: R963.2 TP963.1 | length 80.5
  TOP w4.4: TP963.1@584.99,1939.2 605.64,1918.55 650.83,1918.55 R963.2@655.13,1922.85
FSC_CTRL_L4: R964.2 TP964.1 | length 54.3
  TOP w4.4: TP964.1@603.32,2035.88 609.27,2041.83 R964.2@655.13,2041.83
FSC_CTRL_L5: R966.2 TP965.1 | length 52.5
  TOP w4.4: TP965.1@604.08,2124.7 651.58,2124.7 R966.2@655.13,2121.15
FT_EECLK: J901.7 R1016.2 | length 878.1
  TOP w4.4: v1(1206.24,2172.78) 1224.03,2154.99 1224.03,2132.37 1181.83,2090.17 1181.83,1852.5 1208.9,1825.43 1524.99,1825.43 1551.03,1851.47 1551.03,1883.03 1532.7,1901.36 R1016.2@1482.99,1901.36
  BOTTOM w4.4: v1(1206.24,2172.78) 1215.98,2172.78 1218.7,2175.5 J901.7@1239.67,2175.5
FT_EECS: J901.10 R1018.2 | length 397.8
  TOP w4.4: v1(1396.94,2142.39) 1396.94,2131.54 1452.39,2076.09 1501.12,2076.09 1553.05,2024.16 1553.05,1989.12 1508.29,1944.36 R1018.2@1482.99,1944.36
  BOTTOM w4.4: J901.10@1347.37,2159.75 1365.85,2159.75 1368.97,2162.87 1382.21,2162.87 1396.94,2148.14 v1(1396.94,2142.39)
FT_EEDATA: J901.9 R1015.2 | length 359.5
  TOP w4.4: v1(1161.84,1923.29) 1167.1,1928.55 1167.1,1945.37 ; 1167.11,1945.38 1167.11,2104 1205.22,2142.11 v1(1205.22,2148.31) ; v1(1199.72,1923.29) 1204.73,1918.28 R1015.2@1204.73,1885.88
  BOTTOM w4.4: v1(1161.84,1923.29) v1(1199.72,1923.29) ; v1(1205.22,2148.31) 1216.66,2159.75 J901.9@1239.67,2159.75
FT_IO_NINT: J901.4 R961.1 TP906.1 | length 938.4
  TOP w4.4: R961.1@788.29,2167.71 v1(806.63,2186.05) ; v1(1421.67,2141.75) 1481.48,2141.75 TP906.1@1504.82,2118.41
  BOTTOM w4.4: v1(806.63,2186.05) 806.63,2170.68 853.08,2124.23 1134.61,2124.23 1167.28,2091.56 1389.11,2091.56 1421.67,2124.12 v1(1421.67,2141.75) 1421.67,2182.69 1397.37,2206.99 J901.4@1347.37,2206.99
FT_IO_NRST: D903.C J901.6 TP907.1 | length 731
  TOP w4.4: D903.C@893.99,2338.35 893.99,2287.94 v1(895.69,2286.24) ; v1(1391.83,2181.29) 1480.7,2181.29 TP907.1@1502.72,2203.31
  BOTTOM w4.4: v1(895.69,2286.24) 909.3,2272.63 1267.86,2272.63 1298.28,2242.21 1298.28,2210.48 1317.52,2191.24 J901.6@1347.37,2191.24 1381.88,2191.24 v1(1391.83,2181.29)
FT_IOEXP1_SCL: R968.2 U909.15 | length 71.1
  TOP w4.4: U909.15@851.75,2076.08 851.75,2116.56 R968.2@873.38,2138.19
FT_IOEXP1_SDA: R965.2 U909.14 | length 82
  TOP w4.4: U909.14@871.43,2076.08 871.43,2093.45 R965.2@917.1,2139.12
FT_SCL: J901.3 R906.2 R926.2 R946.2 R968.1 R988.2 R1019.2 R1033.1 TP904.1 | length 5688.1
  TOP w4.4: v1(53.44,2060.38) 53.81,2060.01 R926.2@84.08,2060.01 84.08,2016.63 55.04,1987.59 55.04,1567.48 68.16,1554.36 R906.2@87.54,1554.36 87.54,1403.92 50.07,1366.45 50.07,1045.38 59.11,1036.34 R988.2@92.24,1036.34 92.24,878.17 44.18,830.11 v1(44.18,83.4) 60.63,66.95 119.58,66.95 133.83,81.2 R1033.1@133.83,106.43 ; v1(97.25,496.48) R1019.2@97.25,514.48 ; R946.2@606.09,1546.87 565.89,1546.87 559.67,1553.09 559.67,2086.05 v1(576.43,2102.81) 576.43,2175.17 601.19,2199.93 601.19,2315.98 636.9,2351.69 783.1,2351.69 820.25,2314.54 820.25,2233.28 v1(864.82,2188.71) 873.38,2180.15 R968.1@873.38,2167.71 ; v1(1269.91,2195.16) 1250.63,2214.44 1250.63,2231.02 1264.97,2245.36 1398.23,2245.36 TP904.1@1471.42,2318.55
  L3_INT_1 w3.6: v1(44.18,83.4) 44.18,443.41 v1(97.25,496.48)
  BOTTOM w4.4: v1(53.44,2060.38) 53.44,2259.02 148.56,2354.14 325.1,2354.14 v1(576.43,2102.81) ; v1(864.82,2188.71) 913.52,2140.01 1141.16,2140.01 1180.04,2101.13 1260.69,2101.13 1285.05,2125.49 1285.05,2180.02 v1(1269.91,2195.16) 1258.08,2206.99 J901.3@1239.67,2206.99
FT_SDA: J901.5 R910.2 R928.2 R948.2 R965.1 R990.2 R1021.2 R1032.1 TP905.1 | length 4979
  TOP w4.4: v1(88.9,2338.84) 105.82,2355.76 595.96,2355.76 602.59,2362.39 792.69,2362.39 841.48,2313.6 841.48,2231.77 868.97,2204.28 904.53,2204.28 v1(917.1,2191.71) R965.1@917.1,2168.64 ; R1032.1@89.43,107.15 89.43,88.46 89.79,88.1 v1(89.79,86.15) ; v1(146.64,1936.55) 166.5,1936.55 R928.2@168.04,1935.01 ; v1(167.69,890.21) 167.69,908.65 R990.2@170.1,911.06 ; v1(167.69,1400.96) 167.69,1422.65 R910.2@170.83,1425.79 ; v1(176.47,356.01) 179.83,359.37 179.83,368.81 181.64,370.62 R1021.2@181.64,374.04 ; R948.2@670.2,1422.26 v1(688.2,1422.26) ; v1(1182.75,2179.39) 1259.73,2256.37 1315.08,2256.37 TP905.1@1377.26,2318.55
  L3_INT_1 w3.6: v1(88.9,2338.84) 146.64,2281.1 v1(146.64,1936.55) 167.69,1915.5 v1(167.69,1400.96) v1(167.69,890.21) 176.47,881.43 v1(176.47,356.01) 176.47,327.76 90.36,241.65 90.36,86.72 v1(89.79,86.15)
  BOTTOM w4.4: v1(688.2,1422.26) 680.55,1429.91 680.55,2082.69 804.78,2206.92 901.89,2206.92 v1(917.1,2191.71) 932.49,2176.32 1179.68,2176.32 v1(1182.75,2179.39) 1194.6,2191.24 J901.5@1239.67,2191.24